# KiCad board fieldRadio_1.1.kicad_pcb (continued)
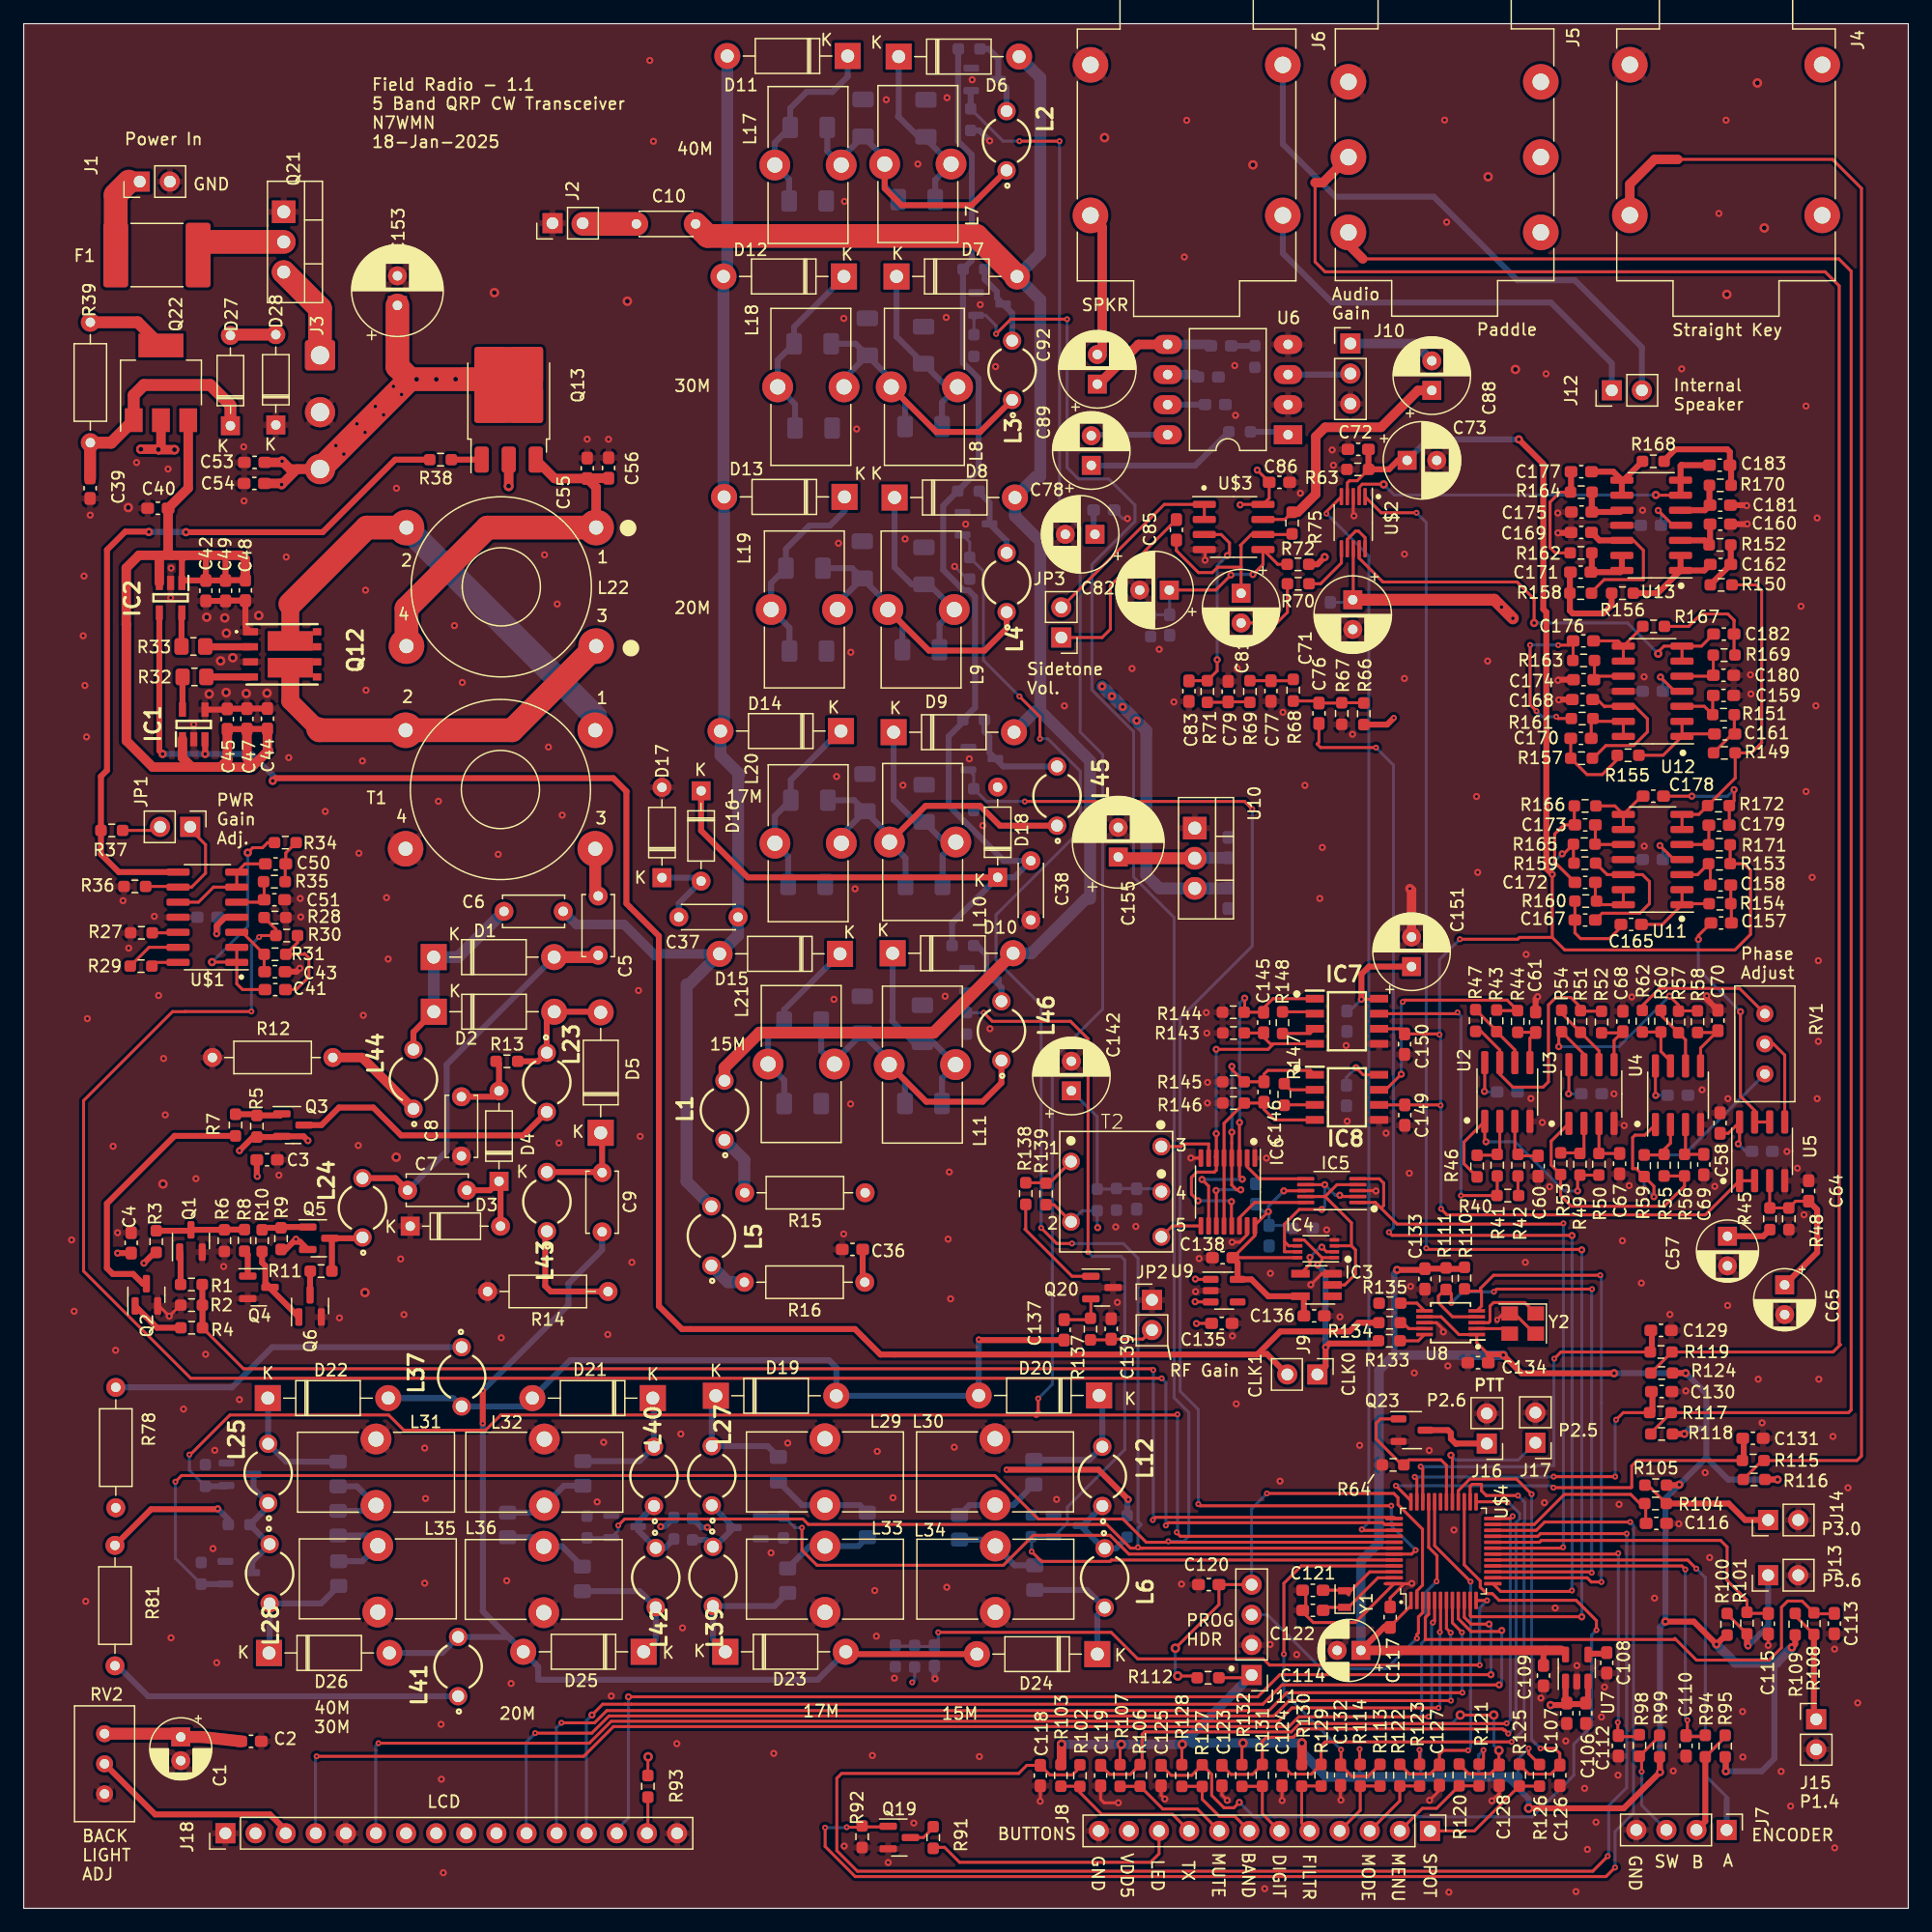
[diagram p0: board, top side]
## Placement (name value [footprint] x y rotation side) (continued)
J14  Conn_01x02  [PinHeader_1x02_P2.54mm_Vertical]  147.18 32.76 90 top
J15  Conn_01x02  [PinHeader_1x02_P2.54mm_Vertical]  151.23 15.94 0 top
J16  Conn_01x02  [PinHeader_1x02_P2.54mm_Vertical]  123.44 39.21 180 top
J17  Conn_01x02  [PinHeader_1x02_P2.54mm_Vertical]  127.54 39.28 180 top
J18  Conn_01x16  [PinHeader_1x16_P2.54mm_Vertical]  17.02 6.33 90 top
JP1  M02PTH  [PinHeader_1x02_P2.54mm_Vertical]  14.05 91.24 270 top
JP2  M02PTH  [PinHeader_1x02_P2.54mm_Vertical]  95.19 51.33 0 top
JP3  M02PTH  [PinHeader_1x02_P2.54mm_Vertical]  87.54 107.22 180 top
L1  B78148E1473J000  [B78148E]  59.12 67.32 90 top
L2  B78148E1473J000  [B78148E]  82.92 149.12 90 top
L3  B78148E1473J000  [B78148E]  83.39 129.76 90 top
L4  B78148E1473J000  [B78148E]  82.93 111.86 90 top
L5  B78148E1473J000  [B78148E]  58.02 56.72 90 top
L6  B78148E1473J000  [B78148E]  91.2 27.87 270 top
L7  728nH  [L_Toroid_Vertical_L13.0mm_W6.5mm_P5.60mm]  72.64 147.16 90 top
L8  505nH  [L_Toroid_Vertical_L13.0mm_W6.5mm_P5.60mm]  73.19 128.36 90 top
L9  364nH  [L_Toroid_Vertical_L13.0mm_W6.5mm_P5.60mm]  72.91 109.58 90 top
L10  283nH  [L_Toroid_Vertical_L13.0mm_W6.5mm_P5.60mm]  73.04 89.96 90 top
L11  243nH  [L_Toroid_Vertical_L13.0mm_W6.5mm_P5.60mm]  73.02 71.18 90 top
L12  B78148E1473J000  [B78148E]  91 36.44 90 top
L17  622nH  [L_Toroid_Vertical_L13.0mm_W6.5mm_P5.60mm]  63.37 147.08 90 top
L18  431nH  [L_Toroid_Vertical_L13.0mm_W6.5mm_P5.60mm]  63.61 128.36 90 top
L19  311nH  [L_Toroid_Vertical_L13.0mm_W6.5mm_P5.60mm]  63.06 109.58 90 top
L20  242nH  [L_Toroid_Vertical_L13.0mm_W6.5mm_P5.60mm]  63.38 89.86 90 top
L21  207nH  [L_Toroid_Vertical_L13.0mm_W6.5mm_P5.60mm]  62.8 71.23 90 top
L22  L_Ferrite_Coupled  [Transformer_Toroid_Horizontal_D14.0mm_Amidon-T50]  48.3 116.49 180 top
L23  B78148E1473J000  [B78148E]  44.13 69.69 270 top
L24  B78148E1473J000  [B78148E]  28.58 59.1 90 top
L25  B78148E1473J000  [B78148E]  20.62 36.69 90 top
L27  B78148E1473J000  [B78148E]  58.05 36.49 90 top
L28  B78148E1473J000  [B78148E]  20.75 28.22 270 top
L29  341nH  [L_Toroid_Vertical_L13.0mm_W6.5mm_P5.60mm]  67.6 34.02 180 top
L30  284nH  [L_Toroid_Vertical_L13.0mm_W6.5mm_P5.60mm]  81.95 34.02 180 top
L31  852nH  [L_Toroid_Vertical_L13.0mm_W6.5mm_P5.60mm]  29.72 33.99 180 top
L32  426nH  [L_Toroid_Vertical_L13.0mm_W6.5mm_P5.60mm]  43.92 33.99 180 top
L33  341nH  [L_Toroid_Vertical_L13.0mm_W6.5mm_P5.60mm]  67.6 30.57 0 top
L34  284nH  [L_Toroid_Vertical_L13.0mm_W6.5mm_P5.60mm]  81.97 30.57 0 top
L35  852nH  [L_Toroid_Vertical_L13.0mm_W6.5mm_P5.60mm]  29.88 30.59 0 top
L36  426nH  [L_Toroid_Vertical_L13.0mm_W6.5mm_P5.60mm]  43.88 30.54 0 top
L37  B78148E1473J000  [B78148E]  36.95 44.84 270 top
L39  B78148E1473J000  [B78148E]  58.15 28 270 top
L40  B78148E1473J000  [B78148E]  53.17 36.44 90 top
L41  B78148E1473J000  [B78148E]  36.65 20.39 90 top
L42  B78148E1473J000  [B78148E]  53.33 27.9 270 top
L43  B78148E1473J000  [B78148E]  44.14 59.62 90 top
L44  B78148E1473J000  [B78148E]  32.88 69.95 90 top
L45  B78148E1473J000  [B78148E]  87.18 93.84 90 top
L46  B78148E1473J000  [B78148E]  82.49 74.03 90 top
Q1  MMBT3904  [SOT-23]  14.11 56.3 90 top
Q2  MMBT3904  [SOT-23]  10.35 51.76 90 top
Q3  PMV240SP  [SOT-23]  22.72 66.08 0 top
Q4  MMBT3904  [SOT-23]  19.84 52.39 0 top
Q5  PMV240SP  [SOT-23]  24.9 56.53 0 top
Q6  BSS123  [SOT-23]  24.16 50.82 90 top
Q7  BSS123  [SOT-23-3]  81.08 154.3 0 bottom
Q8  BSS123  [SOT-23-3]  81.49 135.35 0 bottom
Q9  BSS123  [SOT-23-3]  80.35 116.81 0 bottom
Q10  BSS123  [SOT-23-3]  80.84 97 0 bottom
Q11  BSS123  [SOT-23-3]  80.72 78.34 0 bottom
Q12  DMN10H220LPDW  [DMN10H220LPDW13]  24.39 105.8 270 top
Q13  NSS1C301ET4G  [TO-252-3_TabPin4]  40.92 127.27 90 top
Q14  BSS123  [SOT-23-3]  18.25 36.62 0 bottom
Q15  BSS123  [SOT-23-3]  61.05 32.12 180 bottom
Q16  BSS123  [SOT-23-3]  88.03 32.29 0 bottom
Q17  BSS123  [SOT-23-3]  50.7 32.22 0 bottom
Q18  BSS123  [SOT-23-3]  18.15 28.32 0 bottom
Q19  MOSFET-NCHANNELBSS138  [SOT-23]  73.88 5.97 0 top
Q20  J309  [SOT-23]  90.97 52.37 0 top
Q21  IRF9540  [TO-220-3_Vertical]  21.94 143.13 270 top
Q22  PZT2222A  [SOT-223]  11.58 128.7 90 top
Q23  BSS123  [SOT-23-3]  117.13 40.34 0 top
R1  1K  [R_0603_1608Metric_Pad0.98x0.95mm_HandSolder]  14.15 52.63 180 top
R2  4.7K  [R_0603_1608Metric_Pad0.98x0.95mm_HandSolder]  14.16 50.89 0 top
R3  4.7K  [R_0603_1608Metric_Pad0.98x0.95mm_HandSolder]  11.18 56.25 270 top
R4  1K  [R_0603_1608Metric_Pad0.98x0.95mm_HandSolder]  14.17 48.98 180 top
R5  4.7K  [R_0603_1608Metric_Pad0.98x0.95mm_HandSolder]  19.67 65.98 90 top
R6  4.7K  [R_0603_1608Metric_Pad0.98x0.95mm_HandSolder]  16.93 56.33 90 top
R7  10K  [R_0603_1608Metric_Pad0.98x0.95mm_HandSolder]  17.87 66.08 90 top
R8  1K  [R_0603_1608Metric_Pad0.98x0.95mm_HandSolder]  18.63 56.35 270 top
R9  4.7K  [R_0603_1608Metric_Pad0.98x0.95mm_HandSolder]  21.71 56.5 90 top
R10  10K  [R_0603_1608Metric_Pad0.98x0.95mm_HandSolder]  20.11 56.33 90 top
R11  0  [R_0603_1608Metric_Pad0.98x0.95mm_HandSolder]  25.09 53.76 0 top
R12  560  [R_Axial_DIN0207_L6.3mm_D2.5mm_P10.16mm_Horizontal]  26.08 71.78 180 top
R13  47K  [R_0603_1608Metric_Pad0.98x0.95mm_HandSolder]  40.77 71.46 0 top
R14  560  [R_Axial_DIN0207_L6.3mm_D2.5mm_P10.16mm_Horizontal]  49.3 52.04 180 top
R15  560  [R_Axial_DIN0207_L6.3mm_D2.5mm_P10.16mm_Horizontal]  70.99 60.37 180 top
R16  560  [R_Axial_DIN0207_L6.3mm_D2.5mm_P10.16mm_Horizontal]  70.96 52.82 180 top
R17  47K  [R_0603_1608Metric_Pad0.98x0.95mm_HandSolder]  79.24 81.22 180 bottom
R18  47K  [R_0603_1608Metric_Pad0.98x0.95mm_HandSolder]  79.77 156.88 180 bottom
R19  47K  [R_0603_1608Metric_Pad0.98x0.95mm_HandSolder]  80.17 138.29 180 bottom
R20  47K  [R_0603_1608Metric_Pad0.98x0.95mm_HandSolder]  79.71 119.56 180 bottom
R21  47K  [R_0603_1608Metric_Pad0.98x0.95mm_HandSolder]  80.15 100.27 180 bottom
R22  47K  [R_0603_1608Metric_Pad0.98x0.95mm_HandSolder]  79.89 150.91 90 bottom
R23  47K  [R_0603_1608Metric_Pad0.98x0.95mm_HandSolder]  80.17 131.85 90 bottom
R24  47K  [R_0603_1608Metric_Pad0.98x0.95mm_HandSolder]  80.15 93.54 90 bottom
R25  47K  [R_0603_1608Metric_Pad0.98x0.95mm_HandSolder]  79.81 113.06 90 bottom
R26  47K  [R_0603_1608Metric_Pad0.98x0.95mm_HandSolder]  79.55 74.66 90 bottom
R27  0  [R_0603_1608Metric_Pad0.98x0.95mm_HandSolder]  9.93 82.3 0 top
R28  47K  [R_0603_1608Metric_Pad0.98x0.95mm_HandSolder]  21.2 83.59 0 top
R29  0  [R_0603_1608Metric_Pad0.98x0.95mm_HandSolder]  9.9 79.49 180 top
R30  33K  [R_0603_1608Metric_Pad0.98x0.95mm_HandSolder]  22.19 82.07 180 top
R31  8.2K  [R_0603_1608Metric_Pad0.98x0.95mm_HandSolder]  21.2 80.49 0 top
R32  0  [R_0805_2012Metric_Pad1.20x1.40mm_HandSolder]  14.4 103.89 0 top
R33  0  [R_0805_2012Metric_Pad1.20x1.40mm_HandSolder]  14.31 106.46 0 top
R34  36K  [R_0603_1608Metric_Pad0.98x0.95mm_HandSolder]  22.07 89.91 180 top
R35  11K  [R_0603_1608Metric_Pad0.98x0.95mm_HandSolder]  21.15 86.62 0 top
R36  1K  [R_0603_1608Metric_Pad0.98x0.95mm_HandSolder]  9.38 86.22 180 top
R37  0  [R_0603_1608Metric_Pad0.98x0.95mm_HandSolder]  7.43 90.94 180 top
R38  0  [R_0603_1608Metric_Pad0.98x0.95mm_HandSolder]  35.17 122.22 180 top
R39  330  [R_Axial_DIN0207_L6.3mm_D2.5mm_P10.16mm_Horizontal]  5.62 133.81 270 top
R40  1.5K  [R_0603_1608Metric_Pad0.98x0.95mm_HandSolder]  125.21 60.13 0 top
R41  10K  [R_0603_1608Metric_Pad0.98x0.95mm_HandSolder]  124.32 62.7 90 top
R42  200  [R_0603_1608Metric_Pad0.98x0.95mm_HandSolder]  126.07 62.7 90 top
R43  10K  [R_0603_1608Metric_Pad0.98x0.95mm_HandSolder]  124.27 74.87 270 top
R44  5.23K  [R_0603_1608Metric_Pad0.98x0.95mm_HandSolder]  126.04 74.82 270 top
R45  10K  [R_0603_1608Metric_Pad0.98x0.95mm_HandSolder]  147.32 58.17 90 top
R46  10K  [R_0603_1608Metric_Pad0.98x0.95mm_HandSolder]  122.62 62.62 270 top
R47  10K  [R_0603_1608Metric_Pad0.98x0.95mm_HandSolder]  122.5 74.9 270 top
R48  10K  [R_0603_1608Metric_Pad0.98x0.95mm_HandSolder]  148.92 58.17 90 top
R49  10K  [R_0603_1608Metric_Pad0.98x0.95mm_HandSolder]  131.29 62.77 90 top
R50  11.3K  [R_0603_1608Metric_Pad0.98x0.95mm_HandSolder]  132.9 62.77 90 top
R51  10K  [R_0603_1608Metric_Pad0.98x0.95mm_HandSolder]  131.34 74.82 270 top
R52  23.2K  [R_0603_1608Metric_Pad0.98x0.95mm_HandSolder]  133.12 74.77 270 top
R53  10K  [R_0603_1608Metric_Pad0.98x0.95mm_HandSolder]  129.67 62.82 270 top
R54  10K  [R_0603_1608Metric_Pad0.98x0.95mm_HandSolder]  129.75 74.86 270 top
R55  10K  [R_0603_1608Metric_Pad0.98x0.95mm_HandSolder]  138.4 62.7 90 top
R56  51.1K  [R_0603_1608Metric_Pad0.98x0.95mm_HandSolder]  140.12 62.7 90 top
R57  10K  [R_0603_1608Metric_Pad0.98x0.95mm_HandSolder]  139.61 74.78 270 top
R58  178K  [R_0603_1608Metric_Pad0.98x0.95mm_HandSolder]  141.22 74.8 270 top
R59  10K  [R_0603_1608Metric_Pad0.98x0.95mm_HandSolder]  136.72 62.65 270 top
R60  10K  [R_0603_1608Metric_Pad0.98x0.95mm_HandSolder]  138.13 74.84 270 top
R61  1K  [R_0603_1608Metric_Pad0.98x0.95mm_HandSolder]  136.72 62.65 90 bottom
R62  1K  [R_0603_1608Metric_Pad0.98x0.95mm_HandSolder]  136.56 74.84 90 top
R63  10K  [R_0603_1608Metric_Pad0.98x0.95mm_HandSolder]  112.55 121.4 0 top
R64  47K  [R_0603_1608Metric_Pad0.98x0.95mm_HandSolder]  115.53 37.41 0 top
R66  47k  [R_0603_1608Metric_Pad0.98x0.95mm_HandSolder]  113.06 100.78 270 top
R67  47k  [R_0603_1608Metric_Pad0.98x0.95mm_HandSolder]  111.2 100.8 90 top
R68  10K  [R_0603_1608Metric_Pad0.98x0.95mm_HandSolder]  107.11 102.77 90 top
R69  10K  [R_0603_1608Metric_Pad0.98x0.95mm_HandSolder]  103.45 102.66 270 top
R70  270  [R_0603_1608Metric_Pad0.98x0.95mm_HandSolder]  107.53 111.75 180 top
R71  10K  [R_0603_1608Metric_Pad0.98x0.95mm_HandSolder]  99.86 102.66 90 top
R72  10K  [R_0603_1608Metric_Pad0.98x0.95mm_HandSolder]  107.51 113.39 180 top
R73  10K  [R_0603_1608Metric_Pad0.98x0.95mm_HandSolder]  95.08 108.21 270 bottom
R75  10k  [R_0603_1608Metric_Pad0.98x0.95mm_HandSolder]  107.01 116.87 90 top
R76  DNS  [R_0603_1608Metric_Pad0.98x0.95mm_HandSolder]  102.59 124.57 180 bottom
R77  10  [R_0603_1608Metric_Pad0.98x0.95mm_HandSolder]  103.87 130.92 270 bottom
R78  560  [R_Axial_DIN0207_L6.3mm_D2.5mm_P10.16mm_Horizontal]  7.77 33.79 90 top
R79  47K  [R_0603_1608Metric_Pad0.98x0.95mm_HandSolder]  15.33 36.52 270 bottom
R80  47K  [R_0603_1608Metric_Pad0.98x0.95mm_HandSolder]  18.17 32.37 180 bottom
R81  560  [R_Axial_DIN0207_L6.3mm_D2.5mm_P10.16mm_Horizontal]  7.7 30.62 270 top
R82  47K  [R_0603_1608Metric_Pad0.98x0.95mm_HandSolder]  64.1 32.17 90 bottom
R83  47K  [R_0603_1608Metric_Pad0.98x0.95mm_HandSolder]  56.43 31.99 90 bottom
R84  47K  [R_0603_1608Metric_Pad0.98x0.95mm_HandSolder]  85 32.27 270 bottom
R85  47K  [R_0603_1608Metric_Pad0.98x0.95mm_HandSolder]  47.53 32.17 270 bottom
R86  47K  [R_0603_1608Metric_Pad0.98x0.95mm_HandSolder]  93.1 32.22 90 bottom
R87  47K  [R_0603_1608Metric_Pad0.98x0.95mm_HandSolder]  54.85 32.07 90 bottom
R88  47K  [R_0603_1608Metric_Pad0.98x0.95mm_HandSolder]  14.97 28.27 270 bottom
R89  9.09K  [R_0603_1608Metric_Pad0.98x0.95mm_HandSolder]  75.16 21.26 90 bottom
R90  1K  [R_0603_1608Metric_Pad0.98x0.95mm_HandSolder]  73.54 21.29 270 bottom
R91  330  [R_0603_1608Metric_Pad0.98x0.95mm_HandSolder]  76.74 5.97 270 top
R92  39K  [R_0603_1608Metric_Pad0.98x0.95mm_HandSolder]  70.74 6.04 90 top
R93  100  [R_0603_1608Metric_Pad0.98x0.95mm_HandSolder]  52.66 10.29 270 top
R94  39K  [R_0603_1608Metric_Pad0.98x0.95mm_HandSolder]  141.88 13.69 90 top
R95  1K  [R_0603_1608Metric_Pad0.98x0.95mm_HandSolder]  143.55 13.69 90 top
R96  39K  [R_0603_1608Metric_Pad0.98x0.95mm_HandSolder]  141.88 13.69 90 bottom
R97  1K  [R_0603_1608Metric_Pad0.98x0.95mm_HandSolder]  143.55 13.66 90 bottom
R98  39K  [R_0603_1608Metric_Pad0.98x0.95mm_HandSolder]  136.31 13.74 90 top
R99  1K  [R_0603_1608Metric_Pad0.98x0.95mm_HandSolder]  138.01 13.69 90 top
R100  39K  [R_0603_1608Metric_Pad0.98x0.95mm_HandSolder]  145.39 24.06 90 top
R101  1K  [R_0603_1608Metric_Pad0.98x0.95mm_HandSolder]  143.72 23.96 270 top
R102  39k  [R_0603_1608Metric_Pad0.98x0.95mm_HandSolder]  89.11 11.19 270 top
R103  1K  [R_0603_1608Metric_Pad0.98x0.95mm_HandSolder]  87.5 11.21 270 top
R104  39K  [R_0603_1608Metric_Pad0.98x0.95mm_HandSolder]  137.67 34.15 180 top
R105  1K  [R_0603_1608Metric_Pad0.98x0.95mm_HandSolder]  137.69 35.7 0 top
R106  39k  [R_0603_1608Metric_Pad0.98x0.95mm_HandSolder]  94.19 11.21 270 top
R107  1K  [R_0603_1608Metric_Pad0.98x0.95mm_HandSolder]  92.5 11.2 270 top
R108  39K  [R_0603_1608Metric_Pad0.98x0.95mm_HandSolder]  151.03 24.02 90 top
R109  1K  [R_0603_1608Metric_Pad0.98x0.95mm_HandSolder]  149.46 23.97 270 top
R110  2.7K  [R_0603_1608Metric_Pad0.98x0.95mm_HandSolder]  121.56 53.17 270 top
R111  2.7K  [R_0603_1608Metric_Pad0.98x0.95mm_HandSolder]  120 53.12 270 top
R112  47K  [R_0603_1608Metric_Pad0.98x0.95mm_HandSolder]  99.92 19.45 0 top
R113  39K  [R_0603_1608Metric_Pad0.98x0.95mm_HandSolder]  114.43 11.23 270 top
R114  1K  [R_0603_1608Metric_Pad0.98x0.95mm_HandSolder]  112.76 11.23 270 top
R115  39K  [R_0603_1608Metric_Pad0.98x0.95mm_HandSolder]  145.91 37.78 0 top
R116  1K  [R_0603_1608Metric_Pad0.98x0.95mm_HandSolder]  145.99 36.18 180 top
R117  39K  [R_0603_1608Metric_Pad0.98x0.95mm_HandSolder]  138.09 41.82 0 top
R118  1K  [R_0603_1608Metric_Pad0.98x0.95mm_HandSolder]  138.19 40.02 180 top
R119  39K  [R_0603_1608Metric_Pad0.98x0.95mm_HandSolder]  138.14 46.94 0 top
R120  39k  [R_0603_1608Metric_Pad0.98x0.95mm_HandSolder]  121.11 11.25 90 top
R121  1K  [R_0603_1608Metric_Pad0.98x0.95mm_HandSolder]  122.79 11.24 270 top
R122  39k  [R_0603_1608Metric_Pad0.98x0.95mm_HandSolder]  116.1 11.23 90 top
R123  1K  [R_0603_1608Metric_Pad0.98x0.95mm_HandSolder]  117.77 11.23 90 top
R124  1K  [R_0603_1608Metric_Pad0.98x0.95mm_HandSolder]  138.19 45.16 180 top
R125  39k  [R_0603_1608Metric_Pad0.98x0.95mm_HandSolder]  126.18 11.23 90 top
R126  1K  [R_0603_1608Metric_Pad0.98x0.95mm_HandSolder]  127.89 11.22 90 top
R127  39k  [R_0603_1608Metric_Pad0.98x0.95mm_HandSolder]  99.43 11.19 90 top
R128  1K  [R_0603_1608Metric_Pad0.98x0.95mm_HandSolder]  97.71 11.2 90 top
R129  39k  [R_0603_1608Metric_Pad0.98x0.95mm_HandSolder]  109.46 11.23 90 top
R130  1K  [R_0603_1608Metric_Pad0.98x0.95mm_HandSolder]  107.82 11.22 90 top
R131  39k  [R_0603_1608Metric_Pad0.98x0.95mm_HandSolder]  104.5 11.22 90 top
R132  1K  [R_0603_1608Metric_Pad0.98x0.95mm_HandSolder]  102.78 11.2 90 top
R133  47  [R_0603_1608Metric_Pad0.98x0.95mm_HandSolder]  115.22 47.88 180 top
R134  47  [R_0603_1608Metric_Pad0.98x0.95mm_HandSolder]  115.24 49.41 180 top
R135  47  [R_0603_1608Metric_Pad0.98x0.95mm_HandSolder]  115.26 51.06 180 top
R137  100  [R_0603_1608Metric_Pad0.98x0.95mm_HandSolder]  90 48.87 90 top
R138  100  [R_0603_1608Metric_Pad0.98x0.95mm_HandSolder]  84.54 60.3 270 top
R139  1K  [R_0603_1608Metric_Pad0.98x0.95mm_HandSolder]  86.26 60.27 90 top
R140  4.32K  [R_0603_1608Metric_Pad0.98x0.95mm_HandSolder]  90.57 59.77 270 bottom
R141  4.32K  [R_0603_1608Metric_Pad0.98x0.95mm_HandSolder]  92.19 59.82 90 bottom
R143  47k  [R_0603_1608Metric_Pad0.98x0.95mm_HandSolder]  102.07 73.85 0 top
R144  47k  [R_0603_1608Metric_Pad0.98x0.95mm_HandSolder]  102.05 75.6 0 top
R145  47k  [R_0603_1608Metric_Pad0.98x0.95mm_HandSolder]  102.06 69.73 0 top
R146  47k  [R_0603_1608Metric_Pad0.98x0.95mm_HandSolder]  102.07 67.94 0 top
R147  499  [R_0603_1608Metric_Pad0.98x0.95mm_HandSolder]  106.35 68.66 270 top
R148  499  [R_0603_1608Metric_Pad0.98x0.95mm_HandSolder]  106.2 74.72 270 top
R149  9.53K  [R_0603_1608Metric_Pad0.98x0.95mm_HandSolder]  143.49 97.48 180 top
R150  10.5K  [R_0603_1608Metric_Pad0.98x0.95mm_HandSolder]  143.21 111.66 180 top
R151  23.2K  [R_0603_1608Metric_Pad0.98x0.95mm_HandSolder]  143.41 100.71 180 top
R152  21K  [R_0603_1608Metric_Pad0.98x0.95mm_HandSolder]  143.11 115.03 180 top
R153  1.02K  [R_0603_1608Metric_Pad0.98x0.95mm_HandSolder]  143.06 88.13 180 top
R154  866  [R_0603_1608Metric_Pad0.98x0.95mm_HandSolder]  143.11 84.75 180 top
R155  11K  [R_0603_1608Metric_Pad0.98x0.95mm_HandSolder]  135.36 97.28 180 top
R156  8.06K  [R_0603_1608Metric_Pad0.98x0.95mm_HandSolder]  134.88 110.95 180 top
R157  16.5K  [R_0603_1608Metric_Pad0.98x0.95mm_HandSolder]  131.44 97.03 0 top
R158  18.7K  [R_0603_1608Metric_Pad0.98x0.95mm_HandSolder]  131.36 110.95 0 top
R159  1K  [R_0603_1608Metric_Pad0.98x0.95mm_HandSolder]  131.71 88.18 0 top
R160  604  [R_0603_1608Metric_Pad0.98x0.95mm_HandSolder]  131.78 84.98 0 top
R161  8.66K  [R_0603_1608Metric_Pad0.98x0.95mm_HandSolder]  131.49 100.38 180 top
R162  6.04K  [R_0603_1608Metric_Pad0.98x0.95mm_HandSolder]  131.38 114.36 180 top
R163  9.76K  [R_0603_1608Metric_Pad0.98x0.95mm_HandSolder]  131.61 105.28 0 top
R164  11.8K  [R_0603_1608Metric_Pad0.98x0.95mm_HandSolder]  131.41 119.48 0 top
R165  1.02K  [R_0603_1608Metric_Pad0.98x0.95mm_HandSolder]  131.66 89.78 0 top
R166  267  [R_0603_1608Metric_Pad0.98x0.95mm_HandSolder]  131.74 93 0 top
R167  2.55K  [R_0603_1608Metric_Pad0.98x0.95mm_HandSolder]  137.51 108.16 0 top
R168  1.96K  [R_0603_1608Metric_Pad0.98x0.95mm_HandSolder]  137.49 122.08 0 top
R169  3.92K  [R_0603_1608Metric_Pad0.98x0.95mm_HandSolder]  143.46 105.73 180 top
R170  4.32K  [R_0603_1608Metric_Pad0.98x0.95mm_HandSolder]  143.13 120.06 180 top
R171  9.09K  [R_0603_1608Metric_Pad0.98x0.95mm_HandSolder]  143.06 89.73 180 top
R172  301  [R_0603_1608Metric_Pad0.98x0.95mm_HandSolder]  142.99 93.03 180 top
RV1  1K  [Potentiometer_Bourns_3296W_Vertical]  146.9 70.39 270 top
RV2  R_Potentiometer  [Potentiometer_Bourns_3386C_Horizontal]  6.82 14.73 0 top
T1  1:1  [Transformer_Toroid_Horizontal_D14.0mm_Amidon-T50]  48.22 99.39 180 top
T2  -  [T50-TRIFILAR]  92.17 60.46 0 top
U2  OPA1678  [SOIC-8_3.9x4.9mm_P1.27mm]  125.17 68.87 90 top
U3  OPA1678  [SOIC-8_3.9x4.9mm_P1.27mm]  132.27 68.7 90 top
U4  OPA1678  [SOIC-8_3.9x4.9mm_P1.27mm]  139.57 68.6 90 top
U5  OPA1678  [SOIC-8_3.9x4.9mm_P1.27mm]  146.67 63.86 90 top
U6  LM386  [DIP-8_W10.16mm_LongPads]  106.67 124.32 180 top
U7  MIC5219-3.3YM5  [SOT-23-5]  131.03 20.27 90 top
U8  Si5351A-B-GT  [MSOP-10_3x3mm_P0.5mm]  120.39 49.41 180 top
U9  MCP1802x-xx02xOT  [SOT-23-5]  101.28 52.11 0 top
U10  LM1086-5.0  [TO-220-3_Vertical]  98.8 91.13 270 top
U11  OPA1679  [SOIC-14_3.9x8.7mm_P1.27mm]  137.44 88.48 180 top
U12  OPA1679  [SOIC-14_3.9x8.7mm_P1.27mm]  137.44 102.68 180 top
U13  OPA1679  [SOIC-14_3.9x8.7mm_P1.27mm]  137.31 116.68 180 top
U$1  OPA1679IDR  [SOIC-14_3.9x8.7mm_P1.27mm]  15.5 83.62 180 top
U$2  TS5A23157  [VSSOP-10_3x3mm_P0.5mm]  112.17 116.9 270 top
U$3  OPA1678  [SOIC-8_3.9x4.9mm_P1.27mm]  102.08 116.54 0 top
U$4  MSP430FR2476TPT  [LQFP-48_7x7mm_P0.5mm]  119.78 30.13 90 top
Y1  32.768kHz  [Crystal_SMD_2012-2Pin_2.0x1.2mm]  111.44 26.09 90 top
Y2  25MHz  [Crystal_SMD_Abracon_ABM8G-4Pin_3.2x2.5mm]  126.47 49.33 180 top

## Library data of the parts
C1 C114 = -: Description: Polarized capacitor
C2 C10-C38 C58-C64 C66-C70 C93-C113 C115-C132 C154 C156-C183 = -: Description: Unpolarized capacitor
C3-C9 C133 C134 = -: Description: Unpolarized capacitor, small symbol
C57 C65 C153 C155 = -: Description: Polarized capacitor, US symbol
D1-D5 D28 = -: Description: Diode; Sim.Device: D; Sim.Pins: 1=K 2=A
D6-D15 D19-D26 = -: Description: 1000V 1A General Purpose Rectifier Diode, DO-41; Sim.Device: D; Sim.Pins: 1=K 2=A
D16-D18 = -: Description: 100V 0.3A Small Signal Fast Switching Diode, DO-35; Sim.Device: D; Sim.Pins: 1=K 2=A
D27 = -: Description: Zener diode, small symbol, filled shape
F1 = -: Description: Fuse
IC1 IC2 = -: Description: 4A/4A Single Channel High-speed Low-side Gate Driver; Height: 1.45; Manufacturer_Name: Texas Instruments; Mouser Part Number: 595-UCC27517DBVR; Mouser Price/Stock: https://www.mouser.co.uk/ProductDetail/Texas-Instruments/UCC27517DBVR?qs=Brs2XCuyt3cZR2K0W764eA%3D%3D
IC7 IC8 = -: Description: Instrumentation Amplifiers Precision Low Power INA; Height: 1.75; Manufacturer_Name: Texas Instruments; Mouser Part Number: 595-INA821ID; Mouser Price/Stock: https://www.mouser.co.uk/ProductDetail/Texas-Instruments/INA821ID?qs=LDGDZb5k%2F%252B%252BuXWq1hdAlSA%3D%3D
J1 J2 J9 J12-J17 = -: Description: Generic connector, single row, 01x02, script generated (kicad-library-utils/schlib/autogen/connector/)
J3 J10 = -: Description: Generic connector, single row, 01x03, script generated (kicad-library-utils/schlib/autogen/connector/)
J4 J6 = -: Description: Audio Jack, 2 Poles (Mono / TS), Switched Pole (Normalling); Mouser Part Number: 568-NMJ4HFD3
J5 = -: Description: Audio Jack, 3 Poles (Stereo / TRS), Switched Poles (Normalling); Mouser Part Number: 550-20301
J7 J11 = -: Description: Generic connector, single row, 01x04, script generated (kicad-library-utils/schlib/autogen/connector/)
J8 = -: Description: Generic connector, single row, 01x12, script generated (kicad-library-utils/schlib/autogen/connector/)
J18 = -: Description: Generic connector, single row, 01x16, script generated (kicad-library-utils/schlib/autogen/connector/)
L1-L6 L12 L23-L25 L27 L28 L37 L39-L46 = -: Description: Leaded Inductors (Leaded Coils), L=47uH  Rated Current=0.95A, Radial DxL:4mmx9.5mm; Manufacturer_Name: TDK; Mouser Part Number: 871-B78148E1473J000; Mouser Price/Stock: https://www.mouser.co.uk/ProductDetail/EPCOS-TDK/B78148E1473J000?qs=eVuN9SfsQ7TbgaB2%2F8UGtw%3D%3D
L7-L11 L17-L21 L29-L36 = -: Description: Inductor
L22 = -: Description: Coupled inductor with ferrite core
Q1 Q2 Q4 = -: Description: NPN transistor, base/emitter/collector
Q3 Q5 = -: Description: P-MOSFET transistor, gate/source/drain
Q6-Q11 Q14-Q18 Q23 = -: Description: N-MOSFET transistor, gate/source/drain
Q12 = -: Description: Dual NMOS transistor, 8 pin package
Q13 Q22 = -: Description: NPN transistor, base/collector/emitter, collector connected to mounting plane
Q20 = -: Description: N-JFET transistor, drain/source/gate
Q21 = -: Description: P-MOSFET transistor, gate/drain/source
R1-R26 R39-R62 R78-R88 R133-R135 R149-R172 = -: Description: Resistor, US symbol
RV1 = -: Description: Potentiometer, US symbol
RV2 = -: Description: Potentiometer
T1 = -: Description: Transformer, single primary, single secondary
U2-U5 = -: Description: Low-Distortion Audio Operational Amplifiers, SOIC-8/VSSOP-8
U6 = -: Description: Low Voltage Audio Power Amplifier, DIP-8/SOIC-8/SSOP-8
U7 = -: Description: 500mA low dropout linear regulator, fixed 3.3V output, SOT-23-5
U8 = -: Description: I2C Programmable Any-Frequency CMOS Clock Generator, MSOP-8
U9 = -: Description: 150mA, Tiny CMOS LDO With Shutdown, Fixed Voltage, SOT-23-5
U10 = -: Description: 3A 25V Linear Regulator, Fixed Output 5.0V, TO-220/TO-263
U11-U13 = -: Description: Low-Distortion Audio Operational Amplifiers, SOIC-14/TSSOP-14
Y1 = -: Description: Two pin crystal
Y2 = -: Description: Four pin crystal, GND on pins 2 and 4, small symbol

## Footprints (pads in the part's own frame, mm; a bottom-side part is the same pattern mirrored in y, then rotated)
B78148E
  round 1.55 hole 1: 1(-2.5,0) 2(2.5,0)
C_0603_1608Metric_Pad1.08x0.95mm_HandSolder
  rrect 1.075x0.95 smd: 1(-0.863,0) 2(0.863,0)
C_0805_2012Metric_Pad1.18x1.45mm_HandSolder
  rrect 1.175x1.45 smd: 1(-1.038,0) 2(1.038,0)
C_1206_3216Metric_Pad1.33x1.80mm_HandSolder
  rrect 1.325x1.8 smd: 1(-1.562,0) 2(1.562,0)
C_Disc_D4.3mm_W1.9mm_P5.00mm
  round 1.6 hole 0.8: 1(0,0) 2(5,0)
C_Disc_D5.0mm_W2.5mm_P5.00mm
  round 1.6 hole 0.8: 1(0,0) 2(5,0)
CP_Radial_D5.0mm_P2.00mm
  rect 1.6x1.6 hole 0.8: 1(0,0)
  round 1.6 hole 0.8: 2(2,0)
CP_Radial_D5.0mm_P2.50mm
  rect 1.6x1.6 hole 0.8: 1(0,0)
  round 1.6 hole 0.8: 2(2.5,0)
CP_Radial_D6.3mm_P2.50mm
  rect 1.6x1.6 hole 0.8: 1(0,0)
  round 1.6 hole 0.8: 2(2.5,0)
CP_Radial_D7.5mm_P2.50mm
  rect 1.6x1.6 hole 0.8: 1(0,0)
  round 1.6 hole 0.8: 2(2.5,0)
Crystal_SMD_2012-2Pin_2.0x1.2mm
  rect 0.6x1.1 smd: 1(-0.7,0) 2(0.7,0)
Crystal_SMD_Abracon_ABM8G-4Pin_3.2x2.5mm
  rect 1.4x1.2 smd: 1(-1.1,-0.85) 2(1.1,-0.85) 3(1.1,0.85) 4(-1.1,0.85)
D_DO-35_SOD27_P7.62mm_Horizontal
  rect 1.6x1.6 hole 0.8: 1(0,0)
  oval 1.6x1.6 hole 0.8: 2(7.62,0)
D_DO-41_SOD81_P10.16mm_Horizontal
  rect 2.2x2.2 hole 1.1: 1(0,0)
  oval 2.2x2.2 hole 1.1: 2(10.16,0)
DIP-8_W10.16mm_LongPads
  rect 2.4x1.6 hole 0.8: 1(0,0)
  oval 2.4x1.6 hole 0.8: 2(0,-2.54) 3(0,-5.08) 4(0,-7.62) 5(10.16,-7.62) 6(10.16,-5.08) 7(10.16,-2.54) 8(10.16,0)
DMN10H220LPDW13
  rect 0.61x1.27 smd: 1(-1.905,-5.265) 2(-0.635,-5.265) 3(0.635,-5.265) 4(1.905,-5.265)
  rect 0.61x0.71 smd: 5(0.635,0.355) 5(1.905,0.355) 6(-1.905,0.355) 6(-0.635,0.355)
  rect 1.65x3.81 smd: 5(1.13,-1.905) 6(-1.13,-1.905)
Fuse_2920_7451Metric_Pad2.10x5.45mm_HandSolder
  rrect 2.1x5.45 smd: 1(-3.475,0) 2(3.475,0)
Jack_6.35mm_Neutrik_NMJ4HFD3_Horizontal
  round 3 hole 1.4: S(12.7,0) SN(12.7,-16.23) T(0,0) TN(0,-16.23)
Jack_6.35mm_Neutrik_NMJ6HFD2_Horizontal
  round 3 hole 1.4: R(6.35,0) RN(6.35,-16.23) S(12.7,0) SN(12.7,-16.23) T(0,0) TN(0,-16.23)
L_Toroid_Vertical_L13.0mm_W6.5mm_P5.60mm
  round 2.6 hole 1.3: 1(0,0) 2(0,-5.6)
LQFP-48_7x7mm_P0.5mm
  rrect 1.475x0.3 smd: 1(-4.162,2.75) 2(-4.162,2.25) 3(-4.162,1.75) 4(-4.162,1.25) 5(-4.162,0.75) 6(-4.162,0.25) 7(-4.162,-0.25) 8(-4.162,-0.75) 9(-4.162,-1.25) 10(-4.162,-1.75) 11(-4.162,-2.25) 12(-4.162,-2.75) 25(4.162,-2.75) 26(4.162,-2.25) 27(4.162,-1.75) 28(4.162,-1.25) 29(4.162,-0.75) 30(4.162,-0.25) 31(4.162,0.25) 32(4.162,0.75) 33(4.162,1.25) 34(4.162,1.75) 35(4.162,2.25) 36(4.162,2.75)
  rrect 0.3x1.475 smd: 13(-2.75,-4.162) 14(-2.25,-4.162) 15(-1.75,-4.162) 16(-1.25,-4.162) 17(-0.75,-4.162) 18(-0.25,-4.162) 19(0.25,-4.162) 20(0.75,-4.162) 21(1.25,-4.162) 22(1.75,-4.162) 23(2.25,-4.162) 24(2.75,-4.162) 37(2.75,4.162) 38(2.25,4.162) 39(1.75,4.162) 40(1.25,4.162) 41(0.75,4.162) 42(0.25,4.162) 43(-0.25,4.162) 44(-0.75,4.162) 45(-1.25,4.162) 46(-1.75,4.162) 47(-2.25,4.162) 48(-2.75,4.162)
MSOP-10_3x3mm_P0.5mm
  rect 1.4x0.3 smd: 1(-2.2,1) 2(-2.2,0.5) 3(-2.2,0) 4(-2.2,-0.5) 5(-2.2,-1) 6(2.2,-1) 7(2.2,-0.5) 8(2.2,0) 9(2.2,0.5) 10(2.2,1)
PinHeader_1x02_P2.54mm_Vertical
  rect 1.7x1.7 hole 1: 1(0,0)
  oval 1.7x1.7 hole 1: 2(0,-2.54)
PinHeader_1x03_P2.54mm_Vertical
  rect 1.7x1.7 hole 1: 1(0,0)
  oval 1.7x1.7 hole 1: 2(0,-2.54) 3(0,-5.08)
PinHeader_1x04_P2.54mm_Vertical
  rect 1.7x1.7 hole 1: 1(0,0)
  oval 1.7x1.7 hole 1: 2(0,-2.54) 3(0,-5.08) 4(0,-7.62)
PinHeader_1x12_P2.54mm_Vertical
  rect 1.7x1.7 hole 1: 1(0,0)
  oval 1.7x1.7 hole 1: 2(0,-2.54) 3(0,-5.08) 4(0,-7.62) 5(0,-10.16) 6(0,-12.7) 7(0,-15.24) 8(0,-17.78) 9(0,-20.32) 10(0,-22.86) 11(0,-25.4) 12(0,-27.94)
PinHeader_1x16_P2.54mm_Vertical
  rect 1.7x1.7 hole 1: 1(0,0)
  oval 1.7x1.7 hole 1: 2(0,-2.54) 3(0,-5.08) 4(0,-7.62) 5(0,-10.16) 6(0,-12.7) 7(0,-15.24) 8(0,-17.78) 9(0,-20.32) 10(0,-22.86) 11(0,-25.4) 12(0,-27.94) 13(0,-30.48) 14(0,-33.02) 15(0,-35.56) 16(0,-38.1)
Potentiometer_Bourns_3296W_Vertical
  round 1.44 hole 0.8: 1(0,0) 2(-2.54,0) 3(-5.08,0)
Potentiometer_Bourns_3386C_Horizontal
  round 1.44 hole 0.8: 1(0,0) 2(0,-2.54) 3(0,-5.08)
R_0603_1608Metric_Pad0.98x0.95mm_HandSolder
  rrect 0.975x0.95 smd: 1(-0.912,0) 2(0.912,0)
R_0805_2012Metric_Pad1.20x1.40mm_HandSolder
  rrect 1.2x1.4 smd: 1(-1,0) 2(1,0)
R_Axial_DIN0207_L6.3mm_D2.5mm_P10.16mm_Horizontal
  round 1.6 hole 0.8: 1(0,0)
  oval 1.6x1.6 hole 0.8: 2(10.16,0)
SOIC127P600X175-8N
  rect 1.528x0.65 smd: 1(-2.711,1.905) 2(-2.711,0.635) 3(-2.711,-0.635) 4(-2.711,-1.905) 5(2.711,-1.905) 6(2.711,-0.635) 7(2.711,0.635) 8(2.711,1.905)
SOIC-8_3.9x4.9mm_P1.27mm
  rrect 1.95x0.6 smd: 1(-2.475,1.905) 2(-2.475,0.635) 3(-2.475,-0.635) 4(-2.475,-1.905) 5(2.475,-1.905) 6(2.475,-0.635) 7(2.475,0.635) 8(2.475,1.905)
SOIC-14_3.9x8.7mm_P1.27mm
  rrect 1.95x0.6 smd: 1(-2.475,3.81) 2(-2.475,2.54) 3(-2.475,1.27) 4(-2.475,0) 5(-2.475,-1.27) 6(-2.475,-2.54) 7(-2.475,-3.81) 8(2.475,-3.81) 9(2.475,-2.54) 10(2.475,-1.27) 11(2.475,0) 12(2.475,1.27) 13(2.475,2.54) 14(2.475,3.81)
SolderWire-0.75sqmm_1x03_P4.8mm_D1.25mm_OD2.3mm
  rrect 2.55x2.55 hole 1.55: 1(0,0)
  round 2.55 hole 1.55: 2(4.8,0) 3(9.6,0)
SOT95P280X145-5N
  rect 1.2x0.6 smd: 1(-1.25,0.95) 2(-1.25,0) 3(-1.25,-0.95) 4(1.25,-0.95) 5(1.25,0.95)
SOT-23
  rrect 1.475x0.6 smd: 1(-0.938,0.95) 2(-0.938,-0.95) 3(0.938,0)
SOT-23-3
  rrect 1.325x0.6 smd: 1(-1.137,0.95) 2(-1.137,-0.95) 3(1.137,0)
SOT-23-5
  rrect 1.325x0.6 smd: 1(-1.137,0.95) 2(-1.137,0) 3(-1.137,-0.95) 4(1.137,-0.95) 5(1.137,0.95)
SOT-23-5_HandSoldering
  rect 1.56x0.65 smd: 1(-1.35,0.95) 2(-1.35,0) 3(-1.35,-0.95) 4(1.35,-0.95) 5(1.35,0.95)
SOT-223
  rect 2x1.5 smd: 1(-3.15,2.3) 2(-3.15,0) 3(-3.15,-2.3)
  rect 2x3.8 smd: 4(3.15,0)
T50-TRIFILAR
  round 1.5 hole 1: 1(-3.81,2.54) 2(-3.81,-2.54) 3(3.81,3.81) 4(3.81,0) 5(3.81,-3.81)
TO-220-3_Vertical
  rect 1.905x2 hole 1.1: 1(0,0)
  oval 1.905x2 hole 1.1: 2(2.54,0) 3(5.08,0)
TO-252-3_TabPin4
  rrect 2.2x1.2 smd: 1(-5.04,2.28) 2(-5.04,0) 3(-5.04,-2.28)
  rrect 3.05x2.75 smd: 4(-0.415,1.525) 4(-0.415,-1.525) 4(2.935,1.525) 4(2.935,-1.525)
  rrect 6.4x5.8 smd: 4(1.26,0)
Transformer_Toroid_Horizontal_D14.0mm_Amidon-T50
  round 3 hole 1.2: 1(0,0) 2(16,0) 3(0,10) 4(16,10)
TSSOP-16_4.4x5mm_P0.65mm
  rrect 1.475x0.4 smd: 1(-2.862,2.275) 2(-2.862,1.625) 3(-2.862,0.975) 4(-2.862,0.325) 5(-2.862,-0.325) 6(-2.862,-0.975) 7(-2.862,-1.625) 8(-2.862,-2.275) 9(2.862,-2.275) 10(2.862,-1.625) 11(2.862,-0.975) 12(2.862,-0.325) 13(2.862,0.325) 14(2.862,0.975) 15(2.862,1.625) 16(2.862,2.275)
VSSOP-8_2.3x2mm_P0.5mm
  rect 0.8x0.3 smd: 1(-1.55,0.75) 2(-1.55,0.25) 3(-1.55,-0.25) 4(-1.55,-0.75) 5(1.55,-0.75) 6(1.55,-0.25) 7(1.55,0.25) 8(1.55,0.75)
VSSOP-10_3x3mm_P0.5mm
  rrect 1.45x0.3 smd: 1(-2.2,1) 2(-2.2,0.5) 3(-2.2,0) 4(-2.2,-0.5) 5(-2.2,-1) 6(2.2,-1) 7(2.2,-0.5) 8(2.2,0) 9(2.2,0.5) 10(2.2,1)

## Nets
/powerAmp/VCC5.0: C40.2 C42.2 C44.2 C45.1 C47.1 C48.1 C49.1 IC1.1 IC2.1 IC2.3 Q22.3
/qsd/VCC3.3: C136.2 C138.2 C140.2 C143.1 C144.1 IC3.5 IC4.8 IC5.8 IC6.16 U9.5
GND: C1.2 C2.2 C3.2 C4.2 C8.1 C11.2 C12.2 C13.2 C14.2 C15.2 C21.2 C22.2 C23.2 C24.2 C25.2 C31.2 C32.2 C33.2 C34.2 C35.2 C36.1 C38.2 C39.1 C40.1 C42.1 C43.2 C44.1 C45.2 C46.1 C47.2 C48.2 C49.2 C51.2 C53.1 C54.1 C55.1 C56.1 C57.2 C58.2 C59.2 C60.2 C61.2 C62.2 C63.2 C64.2 C65.2 C66.2 C67.2 C68.2 C69.2 C70.2 C71.2 C72.2 C73.2 C74.1 C77.1 C78.2 C79.1 C80.1 C82.2 C83.1 C84.1 C86.1 C87.2 C90.1 C105.2 C106.2 C107.2 C108.2 C109.2 C110.2 C111.2 C112.2 C113.2 C114.2 C115.2 C116.2 C117.1 C118.2 C119.2 C120.1 C121.1 C122.1 C123.2 C124.2 C125.2 C126.2 C127.2 C128.2 C129.2 C130.2 C131.2 C132.2 C133.2 C134.2 C135.1 C136.1 C138.1 C139.1 C140.1 C141.1 C142.2 C143.2 C144.2 C147.1 C148.1 C149.2 C150.1 C151.2 C153.2 C154.2 C155.2 C156.2 C159.2 C160.2 C163.1 C164.1 C166.1 C168.2 C169.2 C174.2 C175.2 C180.2 C181.2 D3.1 D17.2 D28.1 IC1.2 IC1.4 IC2.2 IC3.3 IC4.4 IC5.3 IC6.1 IC6.8 IC6.15 IC7.5 IC8.5 J1.2 J2.1 J3.2 J4.S J5.S J6.S J7.4 J8.12 J10.3 J11.2 J13.2 J14.2 J15.2 J16.2 J17.2 J18.1 J18.5 J18.16 JP2.1 L29.2 L30.2 L31.2 L32.2 L33.2 L34.2 L35.2 L36.2 Q1.2 Q2.2 Q4.2 Q6.2 Q7.2 Q8.2 Q9.2 Q10.2 Q11.2 Q12.1 Q12.3 Q14.2 Q15.2 Q16.2 Q17.2 Q18.2 Q19.2 Q20.3 Q21.1 Q23.2 R2.1 R6.1 R12.2 R14.2 R22.1 R23.1 R24.1 R25.1 R26.1 R27.1 R28.2 R36.2 R48.1 R63.1 R64.1 R67.1 R73.2 R77.2 R79.1 R82.1 R84.1 R85.1 R88.1 R90.2 R92.1 R141.1 R143.1 R144.1 R145.1 R146.1 RV2.3 T1.4 U2.4 U3.4 U4.4 U5.4 U6.2 U6.4 U7.2 U8.8 U9.2 U10.1 U11.11 U12.11 U13.11 U$1.11 U$2.3 U$3.4 U$4.48 Y2.2 Y2.4
VDD3.3: C109.1 C114.1 C117.2 C133.1 C134.1 J11.1 R95.1 R97.1 R99.1 R101.2 R103.1 R105.2 R107.1 R109.2 R110.1 R111.1 R112.2 R114.1 R116.1 R118.1 R121.1 R123.2 R124.1 R126.2 R128.2 R130.2 R132.2 U7.5 U8.1 U8.7 U$4.1
VDD5: C1.1 C2.1 C57.1 C58.1 C59.1 C62.1 C63.1 C66.1 C71.1 C80.2 C106.1 C107.1 C135.2 C147.2 C148.2 C151.1 C155.1 C156.1 C163.2 C164.2 C166.2 IC7.8 IC8.8 J8.11 J18.2 R45.1 R93.1 R139.1 R140.2 RV2.1 T2.2 U2.8 U3.8 U4.8 U5.8 U7.1 U7.3 U9.1 U9.3 U10.2 U11.4 U12.4 U13.4 U$2.8
VDD12: C3.1 C4.1 C36.2 C46.2 C53.2 C54.2 C74.2 C78.1 C86.2 C87.1 C153.1 C154.1 D18.2 J3.3 Q3.2 Q5.2 Q13.2 Q13.4 Q22.2 Q22.4 R3.2 R5.1 R9.1 R15.1 R16.1 R39.1 R66.2 R72.1 R78.1 R80.2 R81.1 R83.2 R86.2 R87.2 R89.1 U6.6 U10.3 U$1.4 U$3.8
/15M: Q11.1 Q16.1 R26.2 R84.2 U$4.44
/17M: Q10.1 Q15.1 R24.2 R82.2 U$4.43
/20M: Q9.1 Q17.1 R25.2 R85.2 U$4.42
/30M: Q8.1 Q18.1 R23.2 R88.2 U$4.41
/40M: Q7.1 Q14.1 R22.2 R79.2 U$4.40
/Audio/audio_narrow: C182.2 U12.6 U12.7 U$2.9
